# Altium PCB NC1-2B-BASIS.PcbDoc (continued)
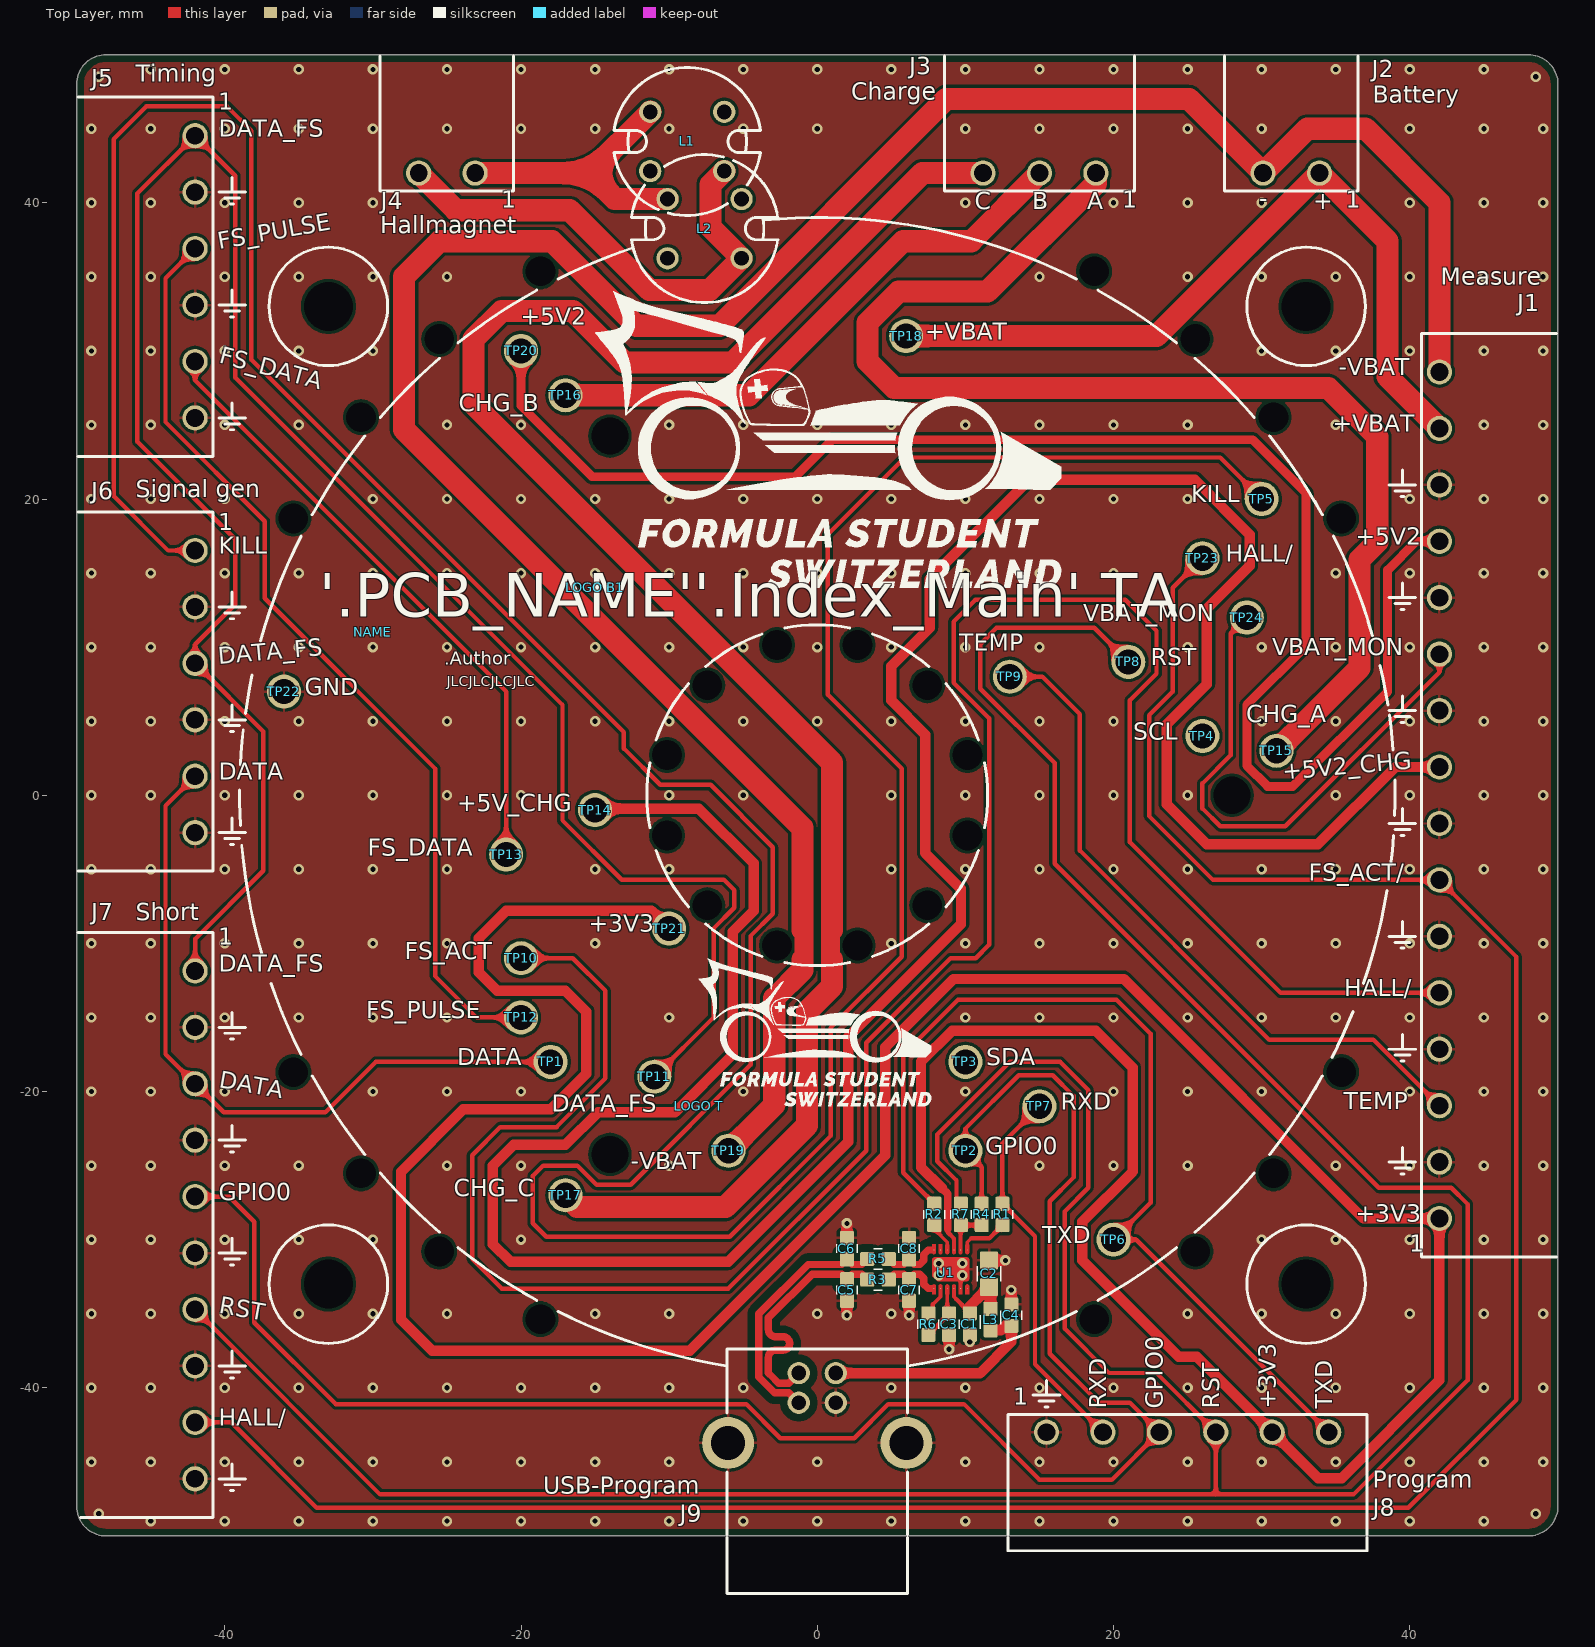
[diagram p0: Top Layer view]
## Footprints (in the part's own frame and the unit in brackets; to place one, negate y for a bottom-side part, rotate by r counter-clockwise, add the part's x,y. Pads: shape width x height; smd on the part's side, far side on the other; paste and mask are expansions set on the pad) (continued)
  silkscreen extent -19.74,-7.9 19.74,1.2, body extent -19.74,-8 19.74,1.2, height 7.26
MC1.5/16-G-3.81 [mm] "Phoenix contact MC 1,5/ 16-G-3,81"
  round 1.7 hole 1.2: 1(-28.575,0) 2(-24.765,0) 3(-20.955,0) 4(-17.145,0) 5(-13.335,0) 6(-9.525,0) 7(-5.715,0) 8(-1.905,0) 9(1.905,0) 10(5.715,0) 11(9.525,0) 12(13.335,0) 13(17.145,0) 14(20.955,0) 15(24.765,0) 16(28.575,0)
  silkscreen extent -31.17,-7.9 31.17,1.2, body extent -31.17,-8 31.17,1.2, height 7.26
PCB-NAME [mm]
R0603-0.40-WW [mm]
  rrect20% 0.95x0.95 smd: 1(-0.725,0) 2(0.725,0)
  silkscreen extent -0.3,-0.7 0.3,0.7, body extent -0.8,-0.4 0.8,0.4, height 0.3
RCH-110-SINGLE [mm] "RCH-110, RCH110B, RL110 / Only for L >= 39uH"
  round 1.5 hole 1: 1(2,2.5) 2(-2,-2.5) M(-2,2.5) M(2,-2.5)
  silkscreen extent -5,-4.94 5,4.94, body extent -5,-4.94 5,4.94, height 10.5
TP_SPRING_PROBE_S25-512 [mm] "Harwin Spring probe sleeve 2.54mm S25-512"
  round 2.3 hole 1.7: 1(0,0)
  body extent -0.92,-0.92 0.92,0.92, height 5.5
USB-B_CUI_UJ2-BH-TH [mm]
  round 1.5 hole 1: 1(1.25,14.99) 2(-1.25,14.99) 3(-1.25,12.99) 4(1.25,12.99)
  round 3.5 hole 2.3: M(-6.02,10.28) M(6.02,10.28)
  silkscreen extent -6.1,0.12 6.1,16.62, body extent -7.5,0.12 7.5,16.62, height 10.81

## Part data
C1 C3: "CAP SM 0603 100nF 50V X7R", Absolute Value=1E-7, JLC Type=Basic, Manufacturer=GENERIC, Manufacturer 1=YAGEO, Manufacturer Part Number 1=CC0603KPX7R9BB104, Manufacturer Part Number 2=CC0603MRX7R9BB104, Package=0603, Supplier Part Number 1=311-3567-1-ND, Eurocircuits GPN=GPC0603104, HelpURL=https://www.yageo.com/upload/media/product/app/datasheet/mlcc/upy-gphc_x7r_6_3v-to-250v.pdf, Manufacturer 2=YAGEO, Part Number=100N/0603/50V/X7R, Supplier 1=Digi-Key, Supplier 2=Digi-Key, Supplier 3=LCSC, Supplier Part Number 2=311-4110-1-ND, Supplier Part Number 3=C14663
C2: "CAP SM 0805 4.7uF 16V X7R", Absolute Value=4.7E-6, Manufacturer=GENERIC, Manufacturer 1=Murata, Manufacturer Part Number 1=GRM21BR71C475KE51L, Manufacturer Part Number 3=TCC0603X5R475M160CT, Package=0805, Supplier Part Number 1=490-14466-1-ND, Eurocircuits GPN=GPN0805475-16, HelpURL=https://search.murata.co.jp/Ceramy/image/img/A01X/G101/ENG/GRM21BR71C475KE51-01.pdf, Part Number=4.7U/0805/16V/X7R, Supplier 1=Digi-Key, Supplier 3=LCSC, Supplier Part Number 3=C7393897
C4: "CAP SM 0603 10nF 50V X7R", Absolute Value=1E-8, Manufacturer=GENERIC, Manufacturer 1=YAGEO, Manufacturer Part Number 1=CC0603KPX7R9BB103, Manufacturer Part Number 2=CC0603KRX7R9BB103, Package=0603, Supplier Part Number 1=311-1572-1-ND, Eurocircuits GPN=GPC0603103, HelpURL=https://www.yageo.com/upload/media/product/app/datasheet/mlcc/upy-gphc_x7r_6_3v-to-250v.pdf, Manufacturer 2=YAGEO, Manufacturer Part Number 3=CC0603KRX7R9BB103, Part Number=10N/0603/50V/X7R, Supplier 1=Digi-Key, Supplier 2=Digi-Key, Supplier 3=LCSC, Supplier Part Number 2=311-1085-1-ND, Supplier Part Number 3=C100042
C5 C6 C7 C8: "CAP SM 0603 10pF 50V C0G", Absolute Value=1E-11, Manufacturer=GENERIC, Manufacturer 1=YAGEO, Manufacturer Part Number 1=CC0603JRNPO9BN100, Manufacturer Part Number 2=CC0603KRNPO9BN100, Package=0603, Supplier Part Number 1=311-1058-1-ND, Eurocircuits GPN=GPC0603100-C0G, HelpURL=https://www.yageo.com/upload/media/product/productsearch/datasheet/mlcc/UPY-GP_NP0_16V-to-50V_18.pdf, Manufacturer 2=YAGEO, Part Number=10P/0603/50V/C0G, Supplier 1=Digi-Key, Supplier 2=Digi-Key, Supplier Part Number 2=311-4025-1-ND
J1: "Phoenix contact MC 1,5/ 16-G-3,81", Manufacturer=Phoenix, Manufacturer Part Number 1=1803413, Supplier Part Number 1=277-1220-ND, HelpURL=https://www.phoenixcontact.com/en-us/products/pcb-header-mc-1516-g-381-1803413?type=pdf, Manufacturer 1=Phoenix, Part Number=MC1.5/16-G-3.81, Supplier 1=Digi-Key
J2 J4: "Phoenix contact MC 1,5/ 2-G-3,81", Manufacturer=Phoenix, Manufacturer Part Number 1=1803277, Supplier Part Number 1=277-1206-ND, HelpURL=https://www.phoenixcontact.com/en-us/products/pcb-header-mc-15-2-g-381-1803277?type=pdf, Manufacturer 1=Phoenix, Part Number=MC1.5/2-G-3.81, Supplier 1=Digi-Key
J3: "Phoenix contact MC 1,5/ 3-G-3,81", Manufacturer=Phoenix, Manufacturer Part Number 1=1803280, Supplier Part Number 1=277-1207-ND, HelpURL=https://www.phoenixcontact.com/en-us/products/pcb-header-mc-15-3-g-381-1803280?type=pdf, Manufacturer 1=Phoenix, Part Number=MC1.5/3-G-3.81, Supplier 1=Digi-Key
J5 J6 J8: "Phoenix contact MC 1,5/ 6-G-3,81", Manufacturer=Phoenix, Manufacturer Part Number 1=1803316, Supplier Part Number 1=277-1210-ND, HelpURL=https://www.phoenixcontact.com/en-us/products/pcb-header-mc-15-6-g-381-1803316?type=pdf, Manufacturer 1=Phoenix, Part Number=MC1.5/6-G-3.81, Supplier 1=Digi-Key
J7: "Phoenix contact MC 1,5/ 10-G-3,81", Manufacturer=Phoenix, Manufacturer Part Number 1=1803358, Supplier Part Number 1=277-1214-ND, HelpURL=https://www.phoenixcontact.com/en-us/products/pcb-header-mc-1510-g-381-1803358?type=pdf, Manufacturer 1=Phoenix, Part Number=MC1.5/10-G-3.81, Supplier 1=Digi-Key
J9: "USB-B CUI UJ2-BH-TH", Manufacturer=CUI, Manufacturer 1="CUI Devices", Manufacturer Part Number 1=UJ2-BH-1-TH, Supplier Part Number 1=102-3999-ND, HelpURL=https://www.cuidevices.com/product/resource/uj2-bh-th.pdf, Part Number=USB-B-CUI, Supplier 1=Digi-Key
L1 L2: "820UH unshielded inductor THT RCH-110", Absolute Value=0.00082, Manufacturer=Sumida, Manufacturer Part Number 1=RCH110NP-821K, Package=RCH-110, HelpURL=https://products.sumida.com/products/pdf/RCH-110.pdf, Manufacturer 1=Sumida, Part Number=820UH/RCH-110, Supplier 1=Digi-Key
L3: "30R@100MHz 5A 0603 Ferrite", Absolute Value=1000, Manufacturer=GENERIC, Manufacturer 1="Laird-Signal Integrity Products", Manufacturer Part Number 1=HI0603R300R-10, Package=603, Supplier Part Number 1=240-HI0603R300R-10CT-ND, HelpURL=https://www.laird.com/document/datasheet/hi0603r300r-10-datasheet, Part Number=30R/0603/FERRITE, Supplier 1=Digi-Key
R1 R2 R4 R6 R7: "RES SM 0603 0R", Absolute Value=0, JLC Type=Basic, Manufacturer=GENERIC, Manufacturer 1=YAGEO, Manufacturer 3="UNI-ROYAL(Uniroyal Elec)", Manufacturer Part Number 1=RC0603FR-070RL, Manufacturer Part Number 2=RC0603FR-130RL, Manufacturer Part Number 3=0603WAF0000T5E, Package=0603, Supplier Part Number 1=311-0.0HRCT-ND, Eurocircuits GPN=GPR06030R, HelpURL=https://www.yageo.com/upload/media/product/app/datasheet/rchip/pyu-rc_group_51_rohs_l.pdf, Manufacturer 2=YAGEO, Part Number=0R/0603, Supplier 1=Digi-Key, Supplier 2=Digi-Key, Supplier 3=LCSC, Supplier Part Number 2=13-RC0603FR-130RLCT-ND, Supplier Part Number 3=C21189
R3 R5: "RES SM 0603 27R", Absolute Value=27, Manufacturer=GENERIC, Manufacturer 1=YAGEO, Manufacturer Part Number 1=RC0603FR-1327RL, Manufacturer Part Number 2=RC0603FR-0727RL, Package=0603, Supplier Part Number 1=13-RC0603FR-1327RLCT-ND, Eurocircuits GPN=GPR060327R, HelpURL=https://www.yageo.com/upload/media/product/productsearch/datasheet/rchip/PYu-RC_Group_51_RoHS_L_12.pdf, Manufacturer 2=YAGEO, Part Number=27R/0603, Supplier 1=Digi-Key, Supplier 2=Digi-Key, Supplier Part Number 2=311-27.0HRCT-ND
TP1 TP2 TP3 TP4 TP5 TP6 TP7 TP8 TP9 TP10 TP11 TP12 TP13 TP14 TP15 TP16 TP17 TP18 TP19 TP20 TP21 TP22 TP23 TP24: Manufacturer=Harwin, Manufacturer Part Number 1=S25-512, Supplier Part Number 1=952-2294-ND, HelpURL=https://cdn.harwin.com/pdfs/S25-XX2.pdf, Manufacturer 1=Harwin, Part Number=SPRING-PROBE-SLEEVE-25, Supplier 1=Digi-Key
U1: "FT234XD USB TO BASIC UART IC", Manufacturer=FTDI, Manufacturer 1="FTDI, Future Technology Devices International Ltd", Manufacturer Part Number 1=FT234XD-R, Manufacturer Part Number 2=FT234XD-T, Package=DFN-12, Supplier Part Number 1=768-1178-1-ND, HelpURL=https://www.ftdichip.com/Support/Documents/DataSheets/ICs/DS_FT234XD.pdf, Manufacturer 2="FTDI, Future Technology Devices International Ltd", Part Number=FT234XD, Supplier 1=Digi-Key, Supplier 2=Digi-Key, Supplier Part Number 2=768-1345-ND

## Free pads (board coordinates)
  round 0 hole 2 unplated: M(-35.367,-18.686) M(-35.367,18.686) M(-30.798,-25.524) M(-30.798,25.524) M(-25.524,-30.798) M(-25.524,30.798) M(-18.686,-35.367) M(-18.686,35.367) M(-10.142,-2.718) M(-10.142,2.718) M(-7.425,-7.425) M(-7.425,7.425) M(-2.718,-10.142) M(-2.718,10.142) M(2.718,-10.142) M(2.718,10.142) M(7.425,-7.425) M(7.425,7.425) M(10.142,-2.718) M(10.142,2.718) M(18.686,-35.367) M(18.686,35.367) M(25.524,-30.798) M(25.524,30.798) M(30.798,-25.524) M(30.798,25.524) M(35.367,-18.686) M(35.367,18.686)
  round 0 hole 3.3 unplated: M(-33,-33) M(-33,33) M(33,-33) M(33,33)
  round 0 hole 2.5 unplated: M(-14,-24.249) M(-14,24.249) M(28,0)

## Via types
v1: diameter 0.7, hole 0.35, Top Layer to Bottom Layer, tented both sides, 365 vias

## Nets (pads, with @x,y where several pads share a name; then routed paths per layer and width w, separated by ;. In a path a pad name is that pad's centre, name@x,y a point inside that pad or via, vN(x,y) a via of type N, cw(c..) or ccw(c..) an arc to the next point about the centre after c; other vN are vias at no path point)
+3V3: J1.1 J8.5 TP21.1 U1.9 | length 234.6
  Top Layer w0.25: U1.9 9.225,-29.925
  Top Layer w0.3: 8.8,-29.3 8.8,-29.5 9.225,-29.925
  Top Layer w0.5: 8.4,-26.5 8.8,-26.9 8.8,-29.3
  Top Layer w0.7: TP21.1 -11.2,-7.8 -21,-7.8 -22.851,-9.651 -22.851,-11.949 -21.6,-13.2 -17,-13.2 -15.6,-14.6 -15.6,-18.8 -18,-21.2 -23.9,-21.2 -28.1,-25.4 -28.1,-35.4 -26,-37.5 -8.6,-37.5 4.6,-24.3 4.6,-17 9.2,-12.4 20.7,-12.4 36.875,-28.575 J1.1 42,-39.5 35.4,-46.1 33.815,-46.1 J8.5 25.615,-37.9 24.4,-37.9 17.9,-31.4 17.9,-28.8 21.3,-25.4 21.3,-18.4 18.8,-15.9 9.1,-15.9 7,-18 7,-25.1 8.4,-26.5
+3V3_USB: C3.1 R6.1 U1.3 | length 3.8
  Top Layer w0.25: U1.3 8.775,-34.85 C3.1
  Top Layer w0.3: R6.1 7.5,-36.4 8.9,-35 C3.1
+5V2: J1.13 TP20.1 | length 106.5
  Top Layer w0.6: TP20.1 -20,26.3 -15.2,21.5 -1.5,21.5 1,24 29.4,24 33,20.4 33,10.1 29,6.1 29,2 30.4,0.6 32.1,0.6 38.5,7 38.5,15.2 40.445,17.145 J1.13
+5V_CHG: J1.9 TP14.1 | length 190.5
  Top Layer w0.7: TP14.1 -14.9,-0.9 -8,-0.9 -4.3,-4.6 -4.3,-7.8 -5.7,-9.2 -5.7,-17.5 -9.6,-21.4 -14.8,-21.4 -17,-23.6 -20.5,-23.6 -21.9,-25 -21.9,-30.3 -20.7,-31.5 -6,-31.5 2.1,-23.4 2.1,-16.3 9.7,-8.7 9.7,-6.3 7.3,-3.9 7.3,4.1 5,6.4 5,8.7 7.6,11.3 7.6,14.603 14.297,21.3 25.5,21.3 29.2,17.6 29.2,15.5 26.3,12.6 26.3,7.5 23.6,4.8 23.6,-0.6 26.3,-3.3 33.8,-3.3 39.005,1.905 J1.9
+VBAT: J1.15 J2.1 TP18.1 | length 53
  Top Layer w1.5: TP18.1 22.905,31 J2.1 38.5,37.405 38.5,28.265 J1.15
-VBAT: J1.16 J2.2 TP19.1 | length 168.7
  Top Layer w1.3: -1,-11.1 -0.9,-11 -0.9,-9.2 -1,-9.1
  Top Layer w1.5: TP19.1 -2.9,-20.9 -2.9,-13.7 -1,-11.8 -1,-11.1 ; -1,-9.1 -1,-2.2 -27.9,24.7 -27.9,35 -25.5,37.4 -17.9,37.4 -12.2,31.7 -6.6,31.7 8.7,47 25.095,47 J2.2 33.095,45 37,45 42,40 J1.16
CHG_A: J3.1 TP15.1 | length 83.1
  Top Layer w1.5: J3.1 18.81,41.31 11.5,34 5.5,34 3.4,31.9 3.4,29.3 5.2,27.5 34.5,27.5 37.8,24.2 37.8,17.1 36.6,15.9 36.6,8.6 TP15.1
CHG_B: J3.2 TP16.1 | length 38.2
  Top Layer w1.5: TP16.1 -4.6,27 5.8,37.4 10.4,37.4 J3.2
CHG_C: J3.3 TP17.1 | length 124.7
  Top Layer w1.3: 1,-11.1 0.9,-11 0.9,-9.2 1,-9.1
  Top Layer w1.5: TP17.1 -16.2,-27.8 -6.2,-27.8 -0.7,-22.3 -0.7,-14.6 1,-12.9 1,-11.1 ; 1,-9.1 1,2.2 -23.2,26.4 -23.2,30.8 -21.3,32.7 -16.5,32.7 -13.017,29.217 -5.683,29.217 7.1,42 J3.3
D_N: C7.1 R3.2 U1.1@7.875,-33.3 | length 4
  Top Layer w0.5: R3.2 5.2,-32.325 5.85,-32.325 C7.1 6.55,-32.325 6.925,-32.325 7.2,-32.6 7.2,-33 7.5,-33.3 7.775,-33.3
D_P: C8.1 R5.2 U1.12 | length 4
  Top Layer w0.5: R5.2 5.2,-31.675 5.85,-31.675 C8.1 6.55,-31.675 6.925,-31.675 7.2,-31.4 7.2,-31 7.5,-30.7 7.775,-30.7
DATA: J6.5 J7.3 TP1.1 | length 48.6
  Top Layer w0.3: J6.5 -44,-0.715 -44,-17.475 J7.3 -40.075,-21.4 -33.2,-21.4 -29.8,-18 TP1.1
DATA_FS: J5.1 J6.3 J7.1 TP11.1 | length 150.5
  Top Layer w0.3: J7.1 -42,-9.7 -37.4,-5.1 -37.4,4.305 J6.3 -42,10.2 -39.3,12.9 -39.3,17.278 -45.9,23.878 -45.9,40.625 J5.1 -39.3,41.825 -39.3,28.2 -17.2,6.1 -17.2,-1.7 -13.2,-5.7 -6.3,-5.7 -5.6,-6.4 -5.6,-7.6 -7,-9 -7,-15 TP11.1
FS_ACT/: J1.5 TP10.1 | length 158.4
  Top Layer w0.3: TP10.1 -16.5,-11 -14.3,-13.2 -14.3,-19.1 -17.6,-22.4 -21.4,-22.4 -23.3,-24.3 -23.3,-31.3 -21.3,-33.3 -6,-33.3 3.3,-24 3.3,-16.7 9,-11 10.7,-11 11.6,-10.1 11.6,5.2 9.2,7.6 9.2,11.72 10.68,13.2 20.8,13.2 22.9,11.1 22.9,8.2 21.1,6.4 21.1,-3.16 31.275,-13.335 J1.5
FS_DATA: J5.5 TP13.1 | length 42
  Top Layer w0.3: J5.5 -42,28 -21,7 TP13.1
FS_PULSE: J5.3 TP12.1 | length 64.4
  Top Layer w0.3: J5.3 -44,34.905 -44,25.2 -37.3,18.5 -37.3,13.3 -25.8,1.8 -25.8,-12.2 -23,-15 TP12.1
GND: C1.2 C2.2 C3.2 C4.2 C5.2 C6.2 C7.2 C8.2 J1.2 J1.4 J1.6 J1.8 J1.10 J1.12 J1.14 J5.2 J5.4 J5.6 J6.2 J6.4 J6.6 J7.2 J7.4 J7.6 J7.8 J7.10 J8.1 J9.4 J9.M TP22.1 U1.5 U1.EP | length 7.4
  Top Layer w0.25: U1.5 9.675,-32.525 v1(9.8,-32.4)
  Top Layer w0.7: v1(2,-35.1) C5.2 ; C6.2 v1(2,-28.9) ; v1(6.2,-35.1) C7.2 ; v1(8.9,-37.4) C3.2 ; v1(10.3,-36.9) C1.2 ; C2.2 v1(12.7,-31.4) ; C4.2 v1(13.1,-33.4)
  other v1: -45,-49 -40,-49 -35,-49 -30,-49 -25,-49 -20,-49 -15,-49 -10,-49 -5,-49 0,-49 5,-49 10,-49 15,-49 20,-49 25,-49 30,-49 35,-49 40,-49 45,-49 -48.5,-48.5 48.5,-48.5 -49,-45 -45,-45 -40,-45 -35,-45 -30,-45 -25,-45 -20,-45 -15,-45 -10,-45 0,-45 10,-45 15,-45 20,-45 25,-45 30,-45 35,-45 40,-45 45,-45 49,-45 -49,-40 -45,-40 -40,-40 -35,-40 -30,-40 -25,-40 -20,-40 -15,-40 -10,-40 -5,-40 5,-40 10,-40 15,-40 20,-40 25,-40 30,-40 35,-40 40,-40 45,-40 49,-40 -49,-35 -45,-35 -40,-35 -35,-35 -30,-35 -25,-35 -15,-35 -10,-35 0,-35 5,-35 25,-35 30,-35 35,-35 40,-35 45,-35 49,-35 8.2,-32.4 8.2,-31.6 9.8,-31.6 -49,-30 -45,-30 -40,-30 -35,-30 -30,-30 -20,-30 30,-30 35,-30 40,-30 45,-30 49,-30 -49,-25 -45,-25 -40,-25 -35,-25 -25,-25 -20,-25 -10,-25 15,-25 20,-25 25,-25 35,-25 40,-25 45,-25 49,-25 -49,-20 -45,-20 -40,-20 -30,-20 -25,-20 -20,-20 -5,-20 10,-20 20,-20 25,-20 30,-20 40,-20 45,-20 49,-20 -49,-15 -45,-15 -40,-15 -35,-15 -30,-15 -25,-15 -10,-15 10,-15 15,-15 20,-15 25,-15 30,-15 35,-15 40,-15 45,-15 49,-15 -49,-10 -45,-10 -40,-10 -35,-10 -30,-10 -25,-10 -15,-10 5,-10 10,-10 15,-10 20,-10 25,-10 30,-10 35,-10 40,-10 45,-10 49,-10 -49,-5 -45,-5 -40,-5 -35,-5 -30,-5 -25,-5 -15,-5 -10,-5 5,-5 10,-5 15,-5 20,-5 25,-5 30,-5 35,-5 40,-5 45,-5 49,-5 -49,0 -45,0 -40,0 -35,0 -30,0 -25,0 -20,0 -10,0 -5,0 5,0 10,0 15,0 20,0 25,0 35,0 40,0 45,0 49,0 -49,5 -45,5 -40,5 -35,5 -30,5 -25,5 -20,5 -15,5 -10,5 -5,5 0,5 5,5 10,5 15,5 20,5 30,5 35,5 40,5 45,5 49,5 -49,10 -45,10 -40,10 -35,10 -30,10 -25,10 -20,10 -15,10 -10,10 -5,10 0,10 5,10 10,10 15,10 25,10 30,10 35,10 40,10 45,10 49,10 -49,15 -45,15 -40,15 -35,15 -30,15 -25,15 -20,15 -15,15 -10,15 -5,15 0,15 5,15 10,15 15,15 20,15 35,15 40,15 45,15 49,15 -49,20 -45,20 -40,20 -30,20 -25,20 -20,20 -15,20 -10,20 -5,20 0,20 5,20 10,20 15,20 20,20 25,20 40,20 45,20 49,20 -49,25 -45,25 -40,25 -35,25 -25,25 -20,25 -10,25 -5,25 0,25 5,25 10,25 15,25 20,25 25,25 35,25 45,25 49,25 -49,30 -45,30 -40,30 -35,30 -30,30 30,30 35,30 40,30 45,30 49,30 -49,35 -45,35 -40,35 -35,35 -30,35 -25,35 15,35 25,35 30,35 35,35 40,35 45,35 49,35 -49,40 -45,40 -40,40 -35,40 -30,40 10,40 15,40 20,40 25,40 30,40 40,40 45,40 49,40 -49,45 -45,45 -40,45 -35,45 -30,45 -25,45 -20,45 -15,45 -10,45 -5,45 0,45 10,45 15,45 20,45 25,45 30,45 40,45 45,45 49,45 -48.5,48.5 48.5,48.5 -45,49 -40,49 -35,49 -30,49 -25,49 -20,49 -15,49 -10,49 -5,49 0,49 5,49 10,49 15,49 20,49 25,49 30,49 35,49 40,49 45,49
GPIO0: J7.5 J8.3 R4.2 TP2.1 | length 122.8
  Top Layer w0.3: J7.5 -39.705,-27.095 -38,-28.8 -38,-35.6 -32.5,-41.1 -4.8,-41.1 -2.5,-43.4 2.5,-43.4 4.8,-41.1 9.9,-41.1 15,-46.2 19.895,-46.2 J8.3 21.095,-41 19,-41 15.7,-37.7 15.7,-27.4 17.3,-25.8 17.3,-20.3 15.9,-18.9 13.6,-18.9 10,-22.5 TP2.1 11.1,-25.1 R4.2
HALL/: J1.7 J7.9 TP23.1 | length 172.1
  Top Layer w0.3: J7.9 -39.565,-42.335 -33.8,-48.1 39.9,-48.1 47.2,-40.8 47.2,-10.915 J1.7 26.715,-5.715 22.4,-1.4 22.4,5.4 24,7 24,14 TP23.1
KILL: J6.1 TP5.1 | length 244.9
  Top Layer w0.3: J6.1 -43.825,16.525 -47.5,20.2 -47.5,44.3 -45.3,46.5 -39.85,46.5 -38.2,44.85 -38.2,29.4 -13.05,4.25 -13.05,3.15 -10.6,0.7 -7.2,0.7 -3,-3.5 -3,-8 -4.5,-9.5 -4.5,-18.2 -12.6,-26.3 -14.9,-26.3 -16.2,-25 -18.5,-25 -19.2,-25.7 -19.2,-28.9 -18.3,-29.8 -5.9,-29.8 0.9,-23 0.9,-15.7 5.7,-10.9 5.7,1.8 0.7,6.8 0.7,17.6 5.9,22.8 27.2,22.8 TP5.1
NetJ4_1: J4.1 L1.1 L2.1 | length 19.6
  Top Layer w1.5: J4.1 -15.414,42 ; L1.1 -15.414,42 ; L2.1 -13.665,40.251 -15.414,42
NetJ4_2: J4.2 L1.2 L2.2 | length 33.1
  Top Layer w1.5: J4.2 -24.405,39.5 -16.725,39.5 -11.325,34.1 -7.259,34.1 L2.2 -7.2,38.342 -7.2,41.214 L1.2
NetR1_1: R1.1 U1.7 | length 3.4
  Top Layer w0.25: U1.7 10.125,-30.175 10.4,-29.9
  Top Layer w0.3: 10.4,-29.9 11.625,-29.9 R1.1
NetR2_1: R2.1 U1.10 | length 2
  Top Layer w0.25: R2.1 7.9,-29.3 8.775,-30.175 U1.10
NetR4_1: R4.1 R7.1 U1.8 | length 3.1
  Top Layer w0.25: U1.8 9.675,-29.05 R7.1
  Top Layer w0.3: R7.1 R4.1
NetR6_2: R6.2 U1.2 | length 2
  Top Layer w0.25: 7.8,-34.375 8.325,-33.85 U1.2
  Top Layer w0.3: R6.2 7.8,-34.675 7.8,-34.375
RST: J7.7 J8.4 R7.2 TP8.1 | length 224.3
  Top Layer w0.3: J7.7 -29.515,-47.2 26.905,-47.2 ; R7.2 9.4,-27.275 9.4,-26 8.1,-24.7 8.1,-22.9 13,-18 16.4,-18 18.3,-19.9 18.3,-26.5 16.7,-28.1 16.7,-36 19.7,-39 22.905,-39 J8.4 26.905,-47.2 ; TP8.1 18.7,11.3 12.1,11.3 11,10.2 11,7.2 16.024,2.176 16.024,-4.624 37.9,-26.5 42.8,-26.5 43.9,-27.6 43.9,-39.5 36.2,-47.2 26.905,-47.2
RXD: J8.2 R1.2 TP7.1 | length 25.8
  Top Layer w0.3: TP7.1 12.5,-23.5 R1.2 14.7,-29.775 14.7,-38.415 J8.2
SCL: TP4.1
SDA: TP3.1
TEMP: J1.3 TP9.1 | length 46.4
  Top Layer w0.3: TP9.1 15.2,8 17.735,5.465 17.735,-3.735 30.5,-16.5 37.545,-16.5 J1.3
TXD: J8.6 R2.2 TP6.1 | length 65
  Top Layer w0.3: R2.2 5.8,-25.475 5.8,-17.5 9.5,-13.8 20.2,-13.8 22.5,-16.1 22.5,-27.5 TP6.1 21.525,-30 J8.6
USB_D_N: C5.1 J9.2 R3.1 | length 16.7
  Top Layer w0.5: J9.2 -1.925,-39.685 -2.615,-39.685 -3.194,-39.106 -3.3,-39 -3.3,-37.956 cw(c-2.8,-37.956) -2.8,-37.456 -2.315,-37.456 ccw(c-2.315,-37.006) -2.315,-36.556 -2.8,-36.556 cw(c-2.8,-36.056) -3.3,-36.056 -3.3,-35.275 -0.35,-32.325 1.65,-32.325 C5.1 2.35,-32.325 3,-32.325 R3.1
USB_D_P: C6.1 J9.3 R5.1 | length 16.8
  Top Layer w0.5: J9.3 -1.925,-40.335 -2.884,-40.335 -3.95,-39.269 -3.95,-35.006 -0.619,-31.675 1.65,-31.675 1.825,-31.5 C6.1 2.175,-31.5 2.35,-31.675 3,-31.675 R5.1
USB_VBUS: C4.1 J9.1 L3.1 | length 15.3
  Top Layer w0.7: J9.1 10.99,-39.01 13.1,-36.9 C4.1 12.675,-35.825 12.375,-36.125 L3.1
VBAT_MON: J1.11 TP24.1 | length 36.2
  Top Layer w0.3: TP24.1 27.9,10.9 27.9,2.7 26,0.8 26,-0.9 27.2,-2.1 31.6,-2.1 42,8.3 J1.11
VBUS: C1.1 C2.1 L3.2 U1.4 | length 6
  Top Layer w0.25: U1.4 9.225,-33.85 9.387,-34.013
  Top Layer w0.3: 9.387,-34.013 10.087,-34.713 10.3,-34.925 C1.1
  Top Layer w0.7: C1.1 10.3,-34.5 C2.1 11.7,-33.3 L3.2
pads on no net: L1.M L2.M U1.1@7.25,-33.75 U1.6 U1.11

## Polygon pours and split planes (outlines as drawn)
GND on Bottom Layer "GND_L02_P000" (solid, remove dead copper, pour order 0): -49.5,-48 ccw(c-48,-48) -48,-49.5 48,-49.5 ccw(c48,-48) 49.5,-48 49.5,48 ccw(c48,48) 48,49.5 -48,49.5 ccw(c-48,48) -49.5,48
GND on Top Layer "GND_L01_P001" (solid, remove dead copper, pour order 1): -49.5,-48 ccw(c-48,-48) -48,-49.5 48,-49.5 ccw(c48,-48) 49.5,-48 49.5,48 ccw(c48,48) 48,49.5 -48,49.5 ccw(c-48,48) -49.5,48

## Silkscreen, mask and mechanical layers (free items; w line width, h text height)
Top Overlay:
  circle w0.2: c33,33 r4
  circle w0.2: c-33,33 r4
  circle w0.2: c33,-33 r4
  circle w0.2: c-33,-33 r4
  lines w0.2: -40.4,-46.145 -38.6,-46.145 ; -40.4,-38.525 -38.6,-38.525 ; -40.4,-30.905 -38.6,-30.905 ; -40.4,-23.285 -38.6,-23.285 ; -40.4,-15.665 -38.6,-15.665 ; -40.4,-2.525 -38.6,-2.525 ; -40.4,5.095 -38.6,5.095 ; -40.4,12.715 -38.6,12.715 ; -40.4,25.475 -38.6,25.475 ; -40.4,33.095 -38.6,33.095 ; -40.4,40.715 -38.6,40.715 ; -40,-46.545 -39,-46.545 ; -40,-38.925 -39,-38.925 ; -40,-31.305 -39,-31.305 ; -40,-23.685 -39,-23.685 ; -40,-16.065 -39,-16.065 ; -40,-2.925 -39,-2.925 ; -40,4.695 -39,4.695 ; -40,12.315 -39,12.315 ; -40,25.075 -39,25.075 ; -40,32.695 -39,32.695 ; -40,40.315 -39,40.315 ; -39.6,-46.945 -39.4,-46.945 ; -39.6,-39.325 -39.4,-39.325 ; -39.6,-31.705 -39.4,-31.705 ; -39.6,-24.085 -39.4,-24.085 ; -39.6,-16.465 -39.4,-16.465 ; -39.6,-3.325 -39.4,-3.325 ; -39.6,4.295 -39.4,4.295 ; -39.6,11.915 -39.4,11.915 ; -39.6,24.675 -39.4,24.675 ; -39.6,32.295 -39.4,32.295 ; -39.6,39.915 -39.4,39.915 ; -39.5,-46.145 -39.5,-45.145 ; -39.5,-38.525 -39.5,-37.525 ; -39.5,-30.905 -39.5,-29.905 ; -39.5,-23.285 -39.5,-22.285 ; -39.5,-15.665 -39.5,-14.665 ; -39.5,-2.525 -39.5,-1.525 ; -39.5,5.095 -39.5,6.095 ; -39.5,12.715 -39.5,13.715 ; -39.5,25.475 -39.5,26.475 ; -39.5,33.095 -39.5,34.095 ; -39.5,40.715 -39.5,41.715 ; -38.999,0.34 ccw(c0,0) -38.947,-2.041 ; -38.947,2.041 cw(c0,0) -38.749,4.415 ; -38.852,-3.399 ccw(c0,0) -37.489,-10.75 ; -38.608,5.513 cw(c0,0) -38.148,8.109 ; -37.582,10.422 cw(c0,0) -34.857,17.493 ; -36.875,-12.697 ccw(c0,0) -34.857,-17.493 ; -34.094,-18.937 ccw(c0,0) -30.543,-24.251 ; -34.094,18.937 cw(c0,0) -30.543,24.251 ; -29.501,-25.509 ccw(c0,0) -25.509,-29.501 ; -29.501,25.509 cw(c0,0) -25.509,29.501 ; -24.251,-30.543 ccw(c0,0) -18.937,-34.094 ; -24.251,30.543 cw(c0,0) -18.937,34.094 ; -17.493,-34.857 ccw(c0,0) -6.1,-38.52 ; -17.493,34.857 cw(c0,0) -12.44,36.963 ; -11.289,-2.194 cw(c0,0) -11.289,2.194 ; -10.873,-3.744 ccw(c0,0) -8.679,-7.545 ; -10.873,3.744 cw(c0,0) -8.679,7.545 ; -7.545,-8.679 ccw(c0,0) -3.744,-10.874 ; -7.545,8.679 cw(c0,0) -3.744,10.873 ; -3.651,38.829 cw(c0,0) 17.493,34.857 ; -2.194,-11.289 ccw(c0,0) 2.194,-11.289 ; -2.194,11.289 cw(c0,0) 2.194,11.289 ; 3.744,-10.874 ccw(c0,0) 7.545,-8.679 ; 3.744,10.873 cw(c0,0) 7.545,8.679 ; 6.1,-38.52 ccw(c0,0) 17.493,-34.857 ; 8.679,-7.545 ccw(c0,0) 10.873,-3.744 ; 8.679,7.545 cw(c0,0) 10.873,3.744 ; 11.289,-2.194 ccw(c0,0) 11.289,2.194 ; 14.575,-40.5 16.375,-40.5 ; 14.975,-40.9 15.975,-40.9 ; 15.375,-41.3 15.575,-41.3 ; 15.475,-40.5 15.475,-39.5 ; 18.937,-34.094 ccw(c0,0) 24.251,-30.543 ; 18.937,34.094 cw(c0,0) 24.251,30.543 ; 25.509,-29.501 ccw(c0,0) 29.501,-25.509 ; 25.509,29.501 cw(c0,0) 29.501,25.509 ; 30.543,-24.251 ccw(c0,0) 34.094,-18.937 ; 30.543,24.251 cw(c0,0) 34.094,18.937 ; 34.749,-17.706 ccw(c0,0) 36.16,-14.61 ; 34.857,17.493 cw(c0,0) 37.489,10.75 ; 36.875,-12.697 ccw(c0,0) 38.465,-6.437 ; 38,8.773 cw(c0,0) 38.52,6.101 ; 38.6,-24.765 40.4,-24.765 ; 38.6,-17.145 40.4,-17.145 ; 38.6,-9.525 40.4,-9.525 ; 38.6,-1.905 40.4,-1.905 ; 38.6,5.715 40.4,5.715 ; 38.6,13.335 40.4,13.335 ; 38.6,20.955 40.4,20.955 ; 38.62,5.428 cw(c0,0) 38.88,3.06 ; 38.709,-4.753 ccw(c0,0) 38.905,-2.721 ; 38.976,-1.361 ccw(c0,0) 38.987,1.021 ; 39,-25.165 40,-25.165 ; 39,-17.545 40,-17.545 ; 39,-9.925 40,-9.925 ; 39,-2.305 40,-2.305 ; 39,5.315 40,5.315 ; 39,12.935 40,12.935 ; 39,20.555 40,20.555 ; 39.4,-25.565 39.6,-25.565 ; 39.4,-17.945 39.6,-17.945 ; 39.4,-10.325 39.6,-10.325 ; 39.4,-2.705 39.6,-2.705 ; 39.4,4.915 39.6,4.915 ; 39.4,12.535 39.6,12.535 ; 39.4,20.155 39.6,20.155 ; 39.5,-24.765 39.5,-23.765 ; 39.5,-17.145 39.5,-16.145 ; 39.5,-9.525 39.5,-8.525 ; 39.5,-1.905 39.5,-0.905 ; 39.5,5.715 39.5,6.715 ; 39.5,13.335 39.5,14.335 ; 39.5,20.955 39.5,21.955
  text "Timing" at -46,47.747 h2
  text "Charge" at 2.3,46.536 h2
  text "Battery" at 37.5,46.347 h2
  text "DATA_FS" at -40.4,44.051 h2
  text "-" at 29.852,39.336 h2
  text "C" at 10.623,39.159 h2
  text "B" at 14.516,39.159 h2
  text "A" at 18.211,39.159 h2
  text "+" at 33.483,39.17 h2
  text "Hallmagnet" at -29.5,37.547 h2
  text "FS_PULSE" at -40.318,36.438 h2 r10
  text "Measure" at 42.1,34.07 h2
  text "+5V2" at -20.02,31.368 h2
  text "+VBAT" at 7.306,30.359 h2
  text "FS_DATA" at -40.523,28.827 h2 r345
  text "-VBAT" at 35.219,27.934 h2
  text "CHG_B" at -24.192,25.526 h2
  text "+VBAT" at 34.812,24.124 h2
  text "Signal gen" at -46,19.716 h2
  text "KILL" at 25.255,19.359 h2
  text "+5V2" at 36.36,16.513 h2
  text "KILL" at -40.4,15.884 h2
  text "HALL/" at 27.584,15.359 h2
  text "VBAT_MON" at 17.952,11.326 h2
  text "TEMP" at 9.572,9.359 h2
  text "VBAT_MON" at 30.703,9.051 h2
  text ".Author" at -25.184,8.52 h1.5
  text "DATA_FS" at -40.359,8.433 h2 r5
  text "RST" at 22.498,8.359 h2
  text "GND" at -34.594,6.359 h2
  text "CHG_A" at 28.96,4.526 h2
  text "SCL" at 21.331,3.359 h2
  text "+5V2_CHG" at 31.478,0.649 h2 r5
  text "DATA" at -40.4,0.644 h2
  text "+5V_CHG" at -24.301,-1.474 h2
  text "FS_DATA" at -30.358,-4.474 h2
  text "FS_ACT/" at 33.182,-6.189 h2
  text "Short" at -46,-8.841 h2
  text "+3V3" at -15.427,-9.632 h2
  text "FS_ACT" at -27.841,-11.474 h2
  text "DATA_FS" at -40.4,-12.329 h2
  text "HALL/" at 35.567,-13.976 h2
  text "FS_PULSE" at -30.457,-15.474 h2
  text "DATA" at -24.319,-18.641 h2
  text "SDA" at 11.399,-18.641 h2
  text "DATA" at -40.511,-20.106 h2 r350
  text "TEMP" at 35.545,-21.596 h2
  text "RXD" at 16.428,-21.641 h2
  text "DATA_FS" at -17.913,-21.774 h2
  text "GPIO0" at 11.353,-24.641 h2
  text "-VBAT" at -12.59,-25.641 h2
  text "CHG_C" at -24.553,-27.474 h2
  text "GPIO0" at -40.4,-27.736 h2
  text "+3V3" at 36.347,-29.207 h2
  text "TXD" at 15.178,-30.641 h2
  text "RST" at -40.511,-35.346 h2 r350
  text "RXD" at 19.926,-41.4 h2 r90
  text "GPIO0" at 23.736,-41.4 h2 r90
  text "RST" at 27.546,-41.4 h2 r90
  text "+3V3" at 31.347,-41.4 h2 r90
  text "TXD" at 35.166,-41.4 h2 r90
  text "HALL/" at -40.4,-42.976 h2
  text "Program" at 37.5,-47.153 h2
  text "USB-Program" at -18.5,-47.564 h2
Bottom Overlay:
  circle w0.2: c33,33 r4
  circle w0.2: c33,-33 r4
  circle w0.2: c-33,-33 r4
  circle w0.2: c-33,33 r4
  lines w0.2: -34.857,-17.493 cw(c0,0) -34.857,17.493 ; -34.094,-18.937 ccw(c0,0) -30.543,-24.251 ; -34.094,18.937 cw(c0,0) -30.543,24.251 ; -29.501,-25.509 ccw(c0,0) -25.509,-29.501 ; -29.501,25.509 cw(c0,0) -25.509,29.501 ; -24.251,-30.543 ccw(c0,0) -18.937,-34.094 ; -24.251,30.543 cw(c0,0) -18.937,34.094 ; -17.493,-34.857 ccw(c0,0) -2.381,-38.927 ; -17.493,34.857 cw(c0,0) 17.493,34.857 ; -11.289,-2.194 cw(c0,0) -11.289,2.194 ; -10.873,-3.744 ccw(c0,0) -8.679,-7.545 ; -10.873,3.744 cw(c0,0) -8.679,7.545 ; -7.545,-8.679 ccw(c0,0) -3.744,-10.873 ; -7.545,8.679 cw(c0,0) -3.744,10.873 ; -2.194,-11.289 ccw(c0,0) 2.194,-11.289 ; -2.194,11.289 cw(c0,0) 2.194,11.289 ; 2.381,-38.927 ccw(c0,0) 17.493,-34.857 ; 3.744,-10.873 ccw(c0,0) 7.545,-8.679 ; 3.744,10.873 cw(c0,0) 7.545,8.679 ; 8.679,-7.545 ccw(c0,0) 10.873,-3.744 ; 8.679,7.545 cw(c0,0) 10.873,3.744 ; 11.289,-2.194 ccw(c0,0) 11.289,2.194 ; 18.937,-34.094 ccw(c0,0) 24.251,-30.543 ; 18.937,34.094 cw(c0,0) 24.251,30.543 ; 25.509,-29.501 ccw(c0,0) 29.501,-25.509 ; 25.509,29.501 cw(c0,0) 29.501,25.509 ; 30.543,-24.251 ccw(c0,0) 34.094,-18.937 ; 30.543,24.251 cw(c0,0) 34.094,18.937 ; 34.857,-17.493 ccw(c0,0) 34.857,17.493
  text "+5V2" at -16.96,31.268 h2
  text "+VBAT" at 4.7,30.359 h2
  text "CHG_B" at -18.2,25.526 h2
  text "KILL" at 31.29,21.359 h2
  text "HALL/" at 28.3,17.259 h2
  text "VBAT_MON" at 27.698,11.326 h2
  text "GND" at -30.812,6.359 h2
  text "RST" at 22.703,6.359 h2
  text "TEMP" at 15.7,5.159 h2
  text "CHG_A" at 37.1,4.326 h2
  text "SCL" at 24.639,3.359 h2
  text "+5V_CHG" at -16,-0.474 h2
  text "FS_DATA" at -22.484,-4.474 h2
  text "+3V3" at -11.5,-9.632 h2
  text "FS_ACT" at -21.4,-11.474 h2
  text "FS_PULSE" at -9.786,-14.574 h2
  text "SDA" at 12.395,-16.572 h2
  text "DATA" at -12.6,-16.841 h2
  text "RXD" at 16.7,-19.741 h2
  text "GPIO0" at 13.5,-22.641 h2
  text "-VBAT" at -8.641,-27 h2 r270
  text "DATA_FS" at -10.774,-28.027 h2 r270
  text "TXD" at 21.4,-28.741 h2
  text "CHG_C" at -16.5,-29.574 h2
Board:
  the board outline again, w0.1

## Text inside footprints (layer, text, board x,y; h text height)
J1: Top Overlay "1" at 39.964,-31.218 h2; Bottom Overlay "1" at 40.936,-29.218 h2
J2: Top Overlay "1" at 35.669,39.257 h2; Bottom Overlay "1" at 34.141,39.657 h2
J3: Top Overlay "1" at 20.574,39.257 h2; Bottom Overlay "1" at 19.046,39.657 h2
J4: Top Overlay "1" at -21.331,39.257 h2; Bottom Overlay "1" at -22.859,39.657 h2
J5: Top Overlay "1" at -40.436,45.882 h2; Bottom Overlay "1" at -40.464,43.882 h2
J6: Top Overlay "1" at -40.436,17.482 h2; Bottom Overlay "1" at -40.464,15.882 h2
J7: Top Overlay "1" at -40.436,-10.498 h2; Bottom Overlay "1" at -40.464,-12.498 h2
J8: Top Overlay "1" at 13.239,-41.543 h2; Bottom Overlay "1" at 15.711,-41.943 h2
?: Top Overlay "JLCJLCJLCJLC" at -25.019,7.116 h1.2